# KiCad board AmigaPCI Mainboard.kicad_pcb (continued)
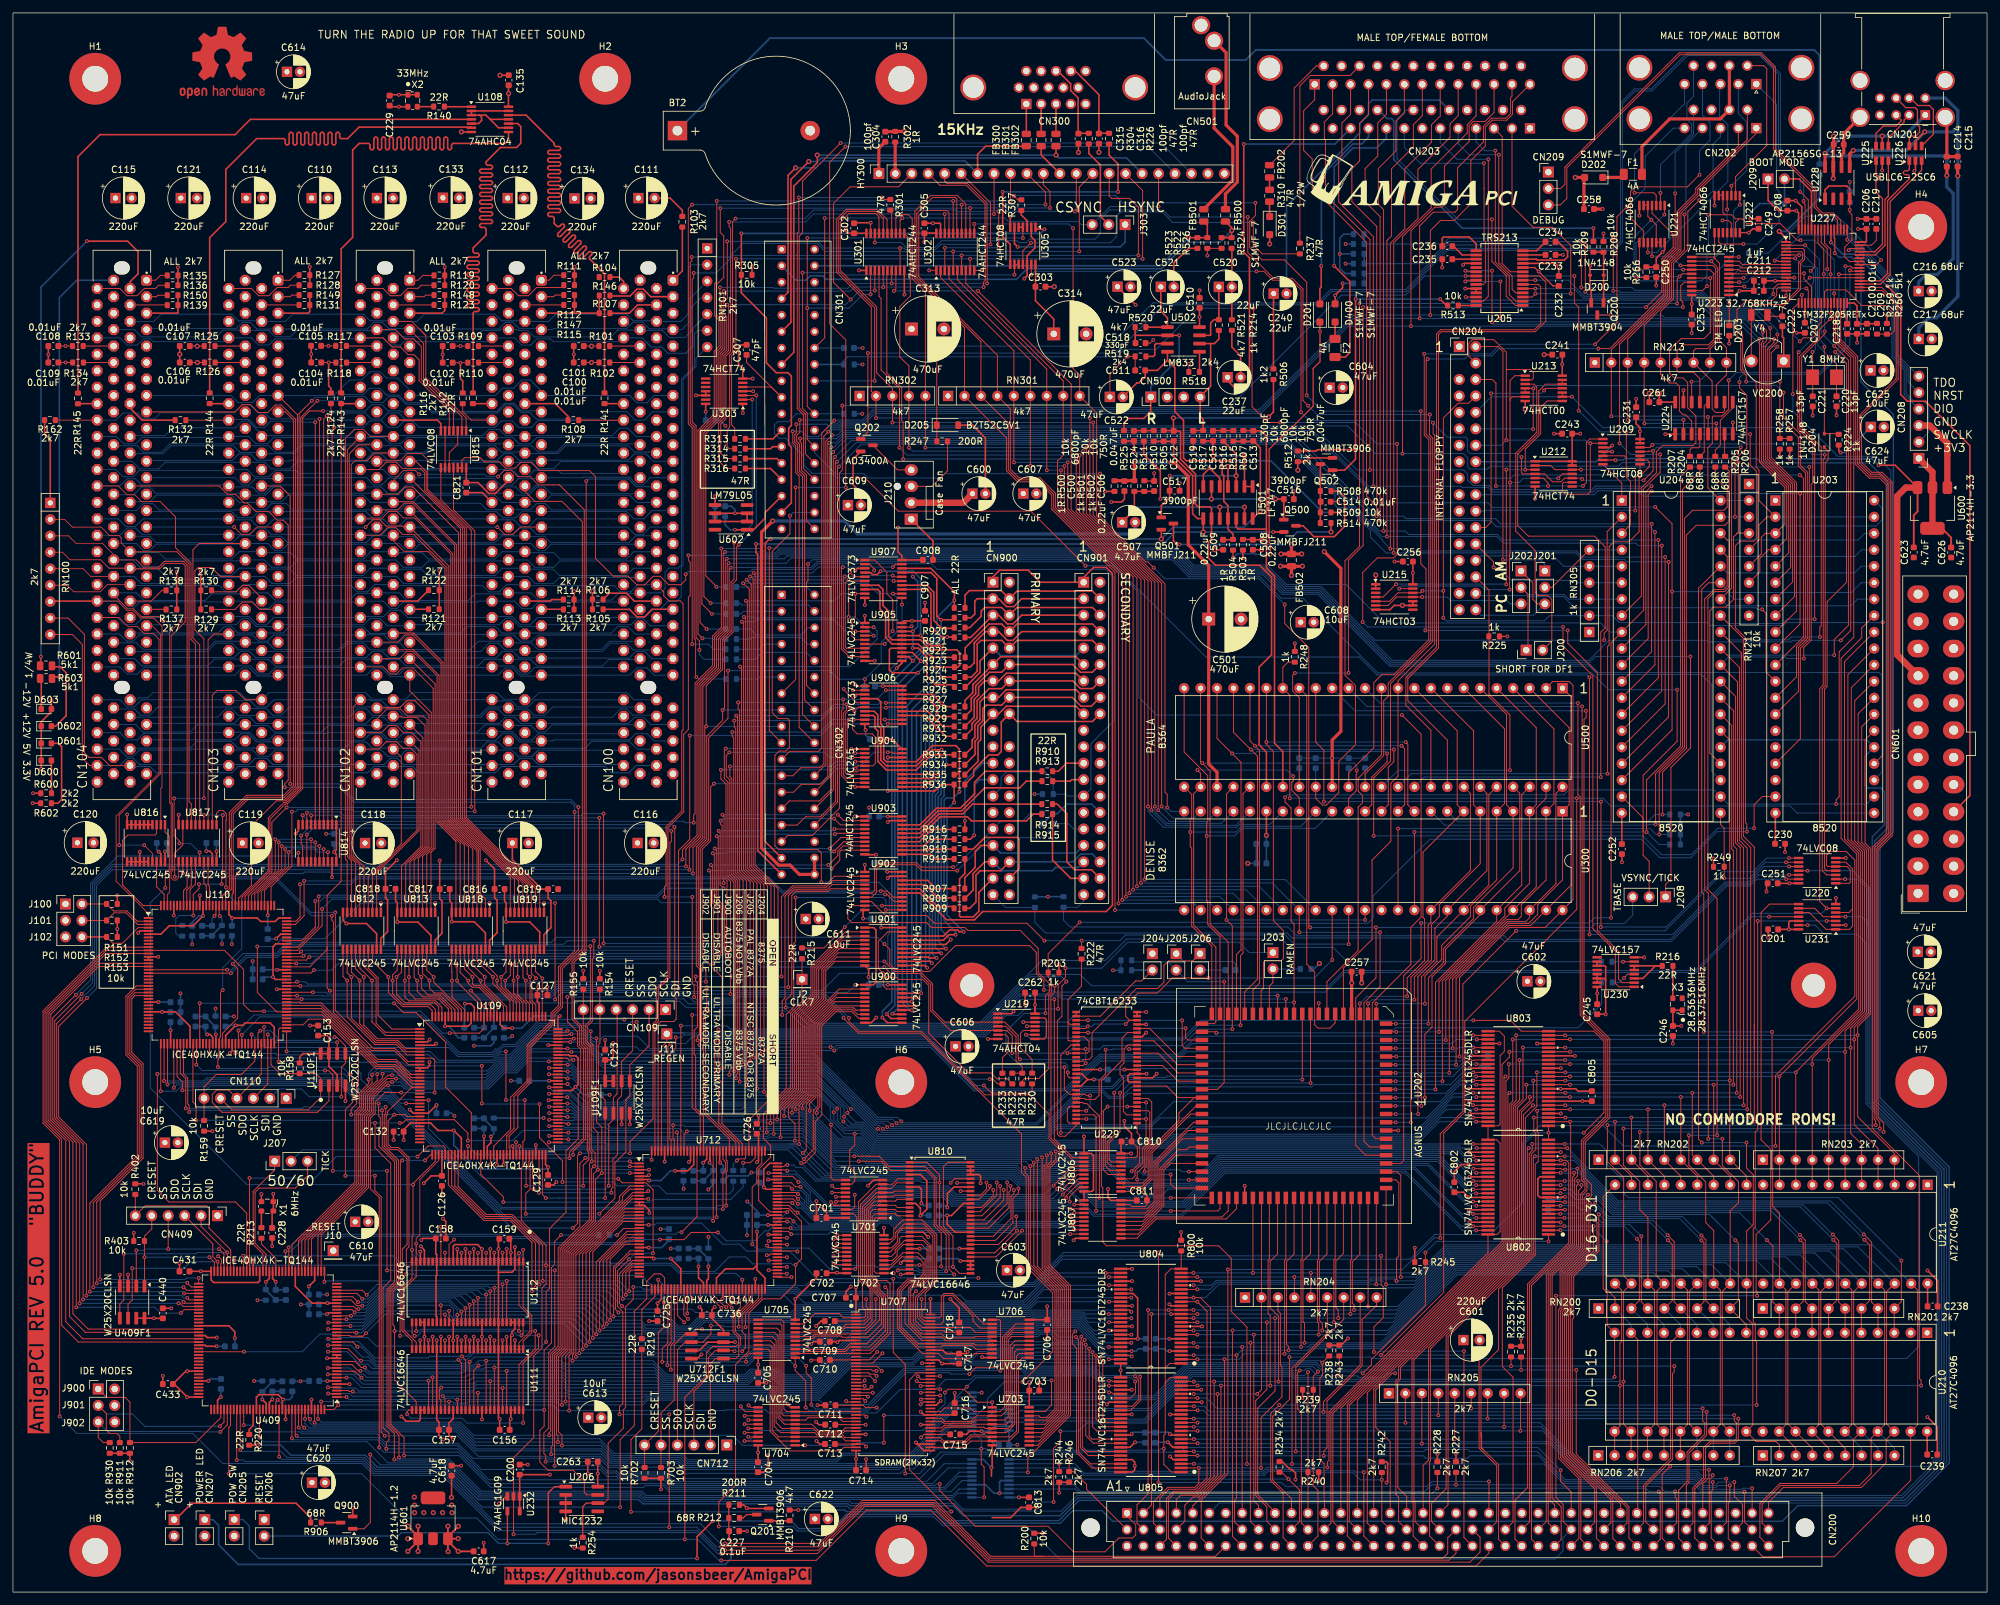
[diagram p0: board, top side]
## Routing (per net, layer and track width the routed paths; a pad name or vN(x,y) marks a point on that pad's centre or on a via; arc(x,y) is an arc through that point) (continued)
  Top w0.3: 67.16,7.87 v2(68.75,6.28) 71.12,6.28 ; U601.3 67.16,6.27 ; U601.3 v2(67.16,10.16) ; U601.3 68.74,8.24 ; 67.16,8.54 v2(68.77,10.15)
  Bottom w0.25: v1(84.45,88.96) 80.44,88.96 78.54,87.07 v1(77.09,87.07) 75.87,87.07 ; 153.79,14.62 155.32,14.62 v1(155.33,14.62) ; 225.3,82.78 v1(225.22,82.85) 225.29,82.79 C803.1 ; C815.1 140.59,59.69 v1(140.26,60.02) ; v1(34.4,87.51) 33.03,87.51 ; v1(114.88,55.62) C721.1 v1(116.6,56.7) ; v1(98.22,63.55) 100.04,63.55 101.54,65.05 v1(102.25,65.05) C722.1 ; v1(146.13,53.03) 146.12,53.03 C825.1 ; C824.1 143.96,59.69 v1(144.27,59.38) ; 115.29,63.13 v1(115.93,62.49) ; C130.1 69.69,88.01 69.78,88.1 v1(69.78,90.87) ; 74.72,65.31 74.73,65.32 v1(74.73,65.94) ; 74.72,65.31 71.74,65.31 68.06,69 v1(68.06,71.27) ; 74.72,65.31 82.31,65.31 v1(82.62,65.62) ; v1(134.99,111.21) 134.79,111.41 C902.1 ; v1(98.94,51.5) v1(101.55,51.5) C723.1 ; v1(134.31,139.91) 133.16,139.91 ; v1(48.55,44.61) 47.44,44.61 ; C432.1 48.52,32.59 v1(48.53,32.6) ; v1(109.19,66.3) 109.68,65.82 C719.1 ; v1(33.86,104.09) 33.86,102.94 ; v1(40.15,94.96) 38.9,94.96 C147.1 ; v1(135.08,93.77) 133.69,93.77 ; v1(23.48,114.34) 23.75,114.61 C822.2 ; v1(155.08,22.75) 155.07,22.74 C812.1 U808.20 ; v1(135.08,131.69) 135.07,131.7 C905.1 ; C901.1 v1(134.06,102.61) ; R255.1 v1(205.77,208.16) ; v1(41.71,29.72) 42.71,29.72 43.13,30.14 C435.1 ; v1(173.25,23.13) 174.82,23.13 ; v1(139.99,53.03) 141.45,53.03 ; C128.1 88.07,76.8 v1(86.87,78.01) ; v1(173.66,39.11) C809.1 ; v1(23.02,89.59) 24.28,89.59 ; v1(49.6,114.25) C820.2 ; C823.2 31.42,114.39 v1(31.43,114.38) ; 26.36,102.88 C148.1 27.67,103.42 28.67,104.42 v1(29.35,104.42) ; 140.27,53.04 140.26,53.03 ; R265.1 v1(283.6,217.75)
  vias: v1(17.76,49) v1(18.05,20.24) v1(40.2,61.49) v1(62.89,38.87) v1(65.43,38.87) v1(244.61,92.44)
+3V3SB: length 54.1
  Top w0.25: U227.32 284.29,199.04 284.72,198.61 v1(284.72,197.37) C210.1 ; U227.13 272.08,202.47 v1(272.07,202.48) C211.1 270.35,200.94 ; R224.1 281.9,176.26 v1(282.2,175.96) ; 284.74,195.83 286.26,195.83 ; J209.1 270.99,214.9 272.58,213.31 C208.1 v1(275.36,213.31) 275.7,212.97 U227.64 ; 276.68,195.88 276.68,197.45 v1(276.69,197.46) 276.7,197.47 U227.19 ; v1(284.87,210.48) 286.17,210.48 286.17,208.57 286.07,208.47 U227.48 ; C209.1 287.75,195.85
  Top w0.3: 297.83,164.25 299.25,162.83 C626.2
  Top w1: U600.2 U600.2 296.37,172.95 CN208.1
  Bottom w0.25: v1(282.2,175.96) 282.92,175.96 C624.1
+5V: length 358.8
  Top w0.15: 9.22,189.86 v1(8.13,189.86) C109.1 ; 90.48,189.86 v2(89.33,189.86) C100.1 ; 49.81,192.43 v1(48.72,192.43) C105.1 ; R125.2 28.47,192.41 v2(28.45,192.38) 28.42,192.41 C107.1 ; C108.1 v1(8.13,192.41) R133.2 ; C103.1 v1(69.09,192.41) R109.2 ; C104.1 v1(48.74,189.86) 49.81,189.86 ; C101.1 89.31,192.41 v2(89.33,192.38) 89.36,192.41 R101.2 ; C106.1 v2(28.47,189.86) R126.2 ; C102.1 69.06,189.84 v1(69.09,189.81) 69.11,189.84 R110.2 ; U202.19 v1(201.61,90.94)
  Top w0.2: v1(230.75,147.57) 230.75,147.57 R225.1 ; U222.14 v1(268.02,209.91)
  Top w0.25: R305.2 v1(114.11,204.66) ; v1(129.99,119.77) 130,119.76 U903.1 ; v1(157.81,90.68) 157.8,90.67 U219.14 ; v1(157.81,90.68) 157.81,89.32 ; v1(157.81,90.68) 157.81,92.2 ; v1(48.74,189.86) 48.74,186.24 49.09,185.89 R124.2 ; v1(3.05,121.81) 3.06,121.8 R600.1 ; 259.2,200.3 259.2,198.91 v1(259.21,198.9) 259.2,198.89 C253.1 ; v1(69.09,189.81) 69.09,187.36 69.45,187 R116.2 ; R242.1 212.06,20.12 212.25,19.93 212.25,17.08 v1(212.07,16.9) ; U803.7 242.32,75.81 v1(242.32,75.81) 243.77,75.81 ; v1(112.69,182.08) 112.68,182.09 U303.1 ; v1(89.47,154.56) 89.47,154.55 R105.1 ; 216.15,159.12 v1(216.15,157.4) 216.15,155.61 ; v1(174.97,87.66) 174.97,87.66 U229.25 ; 65.81,157.71 65.76,157.76 v1(65.83,157.76) 65.83,157.69 65.82,157.7 R122.1 R121.1 ; 238.35,206.48 v1(239.31,206.49) ; v2(254.2,185.1) C261.2 U224.16 ; v1(135.08,119.76) 135.08,119.76 U903.20 ; R236.1 v1(232.85,39.14) ; CN103.A5 45.59,197.48 45.83,197.72 R131.1 R149.1 ; R500.1 v1(168.6,169.96) ; v1(176.6,80.04) 175.96,79.4 U229.12 ; 25.47,200.24 25.47,197.58 25.38,197.48 CN104.A5 ; C249.1 268.63,210.51 v1(268.02,209.91) ; CN102.A5 66.25,197.48 66.66,197.89 R123.1 R148.1 ; U212.13 C243.2 v1(241.99,178.87) ; v1(161.54,15.34) R244.1 163.07,16.95 ; R228.1 219.93,21.33 v1(219.94,21.34) ; R248.1 v1(197.92,146.5) ; U221.14 255.02,207.25 254.7,206.93 v1(254.7,206.91) 254.68,206.91 253.72,205.95 C250.1 252.24,204.59 ; v1(171.61,80.68) 173.55,80.68 ; U805.7 179.1,22.34 v1(178.31,23.13) ; U805.18 183.52,29.33 v1(183.54,29.31) ; U802.7 239.63,59.04 v1(239.63,59.04) ; U212.1 U212.14 ; R240.1 v1(201.6,17.22) ; U209.13 U209.14 251.21,179.22 v1(251.2,179.23) 251.21,179.24 251.21,179.81 250.62,180.4 C231.1 ; R129.1 R130.1 29.01,157.61 v1(28.99,157.63) ; R238.1 204.77,38.12 ; v1(199.11,29.96) 199.12,29.97 R239.1 ; Q201.2 113.37,12.91 v1(113.3,12.97) 112.81,13.46 R212.1 ; C263.1 v1(90.3,18.3) 90.29,18.3 U206.8 ; R107.1 R146.1 ; v1(106.96,182.27) 106.96,183.48 ; U803.18 241.15,82.79 v1(241.16,82.8) ; R234.1 195.96,20.16 197.21,18.91 197.51,18.91 198.04,18.38 198.04,17.38 v1(198.02,17.36) ; R227.1 222.81,21.33 v1(222.8,21.34) ; 18.08,182.83 19.95,180.96 R132.2 ; v1(82.91,18.13) C200.1 U232.1 U232.5 ; RN100.1 5.76,177.97 4.89,178.84 R162.2 ; U205.11 238.15,205.17 238.66,204.66 v1(238.67,204.66) C232.1 ; U305.2 157.23,209.27 157.8,208.7 157.8,207.56 156.58,206.35 U305.12 156.58,203.25 v1(156.15,202.82) ; R249.1 262.56,113.25 v1(262.58,113.27) ; v1(25.29,157.54) R138.1 R137.1 ; U205.25 U205.24 224.24,201.27 v1(224.23,201.28) ; v1(239.58,66.08) 239.52,66.02 U802.18 ; D301.2 194.04,208.19 ; R147.1 R115.1 86.7,197.74 86.44,197.48 86.02,197.48 ; U303.4 114.27,185.43 v1(114.28,185.42) ; CN101.A16 83.75,183.5 85.7,181.56 R108.2 ; 205.06,38.12 v1(206.12,39.18) ; U804.18 178.61,46.1 v1(178.58,46.07) ; v1(167.84,80.69) 164.16,80.67 ; U213.14 239.21,189.56 v1(239.2,189.57) 239.21,189.59 239.21,191.06 ; R113.1 v1(86.64,154.55) ; R245.1 v1(216.44,53.16) ; R235.1 232.84,37.95 ; v1(178.54,39.1) 180.35,39.1 ; 248.41,115.58 U204.20 ; D203.2 v1(264.99,192.78) ; 86.02,197.48 90.52,197.48 ; 86.02,197.48 CN101.A5 ; U209.4 v1(246.93,176.1) ; C238.1 U211.40 ; 272.12,115.59 272.12,120.26 ; C239.1 295.56,24.78 ; U300.19 v2(193.53,116.84)
  Top w0.5: v2(281.05,218.28) 281.06,218.29 U228.7 281.06,223.47 ; v2(137.64,225.56) 137.63,225.55 R302.2 ; C257.1 206.69,94.06 v2(206.7,94.05) 206.69,94.04 U202.15 ; C258.1 242.56,218.33 ; v2(281.1,224.82) 281.12,224.8 C259.1 ; C304.1 136.18,225.51 ; D202.2 v2(241.22,218.44)
  Bottom w0.15: R223.1 R229.1
  Bottom w0.25: C306.1 v1(106.96,182.27) ; R903.2 159.79,107.35 v1(159.8,107.37) 159.81,107.38 R904.2 ; R263.1 v1(205.76,205.12) ; v1(178.31,23.13) 176.34,23.13 ; R308.2 v1(131.18,189.56) ; 133.74,119.77 135.06,119.77 ; R229.1 169.86,96.02 v1(169.85,96.01) ; C807.1 178.53,39.11 v1(178.54,39.1) ; R900.1 v1(157.74,123.21) ; R300.2 v1(131.13,181.94) ; v2(201.71,97.07) 200.85,96.21 RJ203.1 ; v2(193.53,116.84) C301.1 ; v1(167.84,80.69) C267.1 v1(171.61,80.68) ; v1(239.63,59.04) 237.05,59.04
  vias: v2(194.03,208.18)
+5VSB: length 65.3
  Top w0.25: 274.33,176.48 v1(274.33,174.99) ; v1(288.06,174) 290.62,174 U600.3
  Top w0.3: C623.2 293.49,166.28 294.07,166.86 U600.3
  Top w1: U600.3 292.25,170.55 290.93,169.22 290.93,144.71 CN601.9
  Bottom w0.25: v1(288.06,174) 287.07,174.99 v1(274.33,174.99)
+12V: length 652
  Top w0.25: 4.29,142.86 4.29,144.41 v1(4.32,144.44) ; D400.2 v1(204.14,200.25) 205.3,201.41 v1(205.3,202.09) ; CN104.A2 18.08,202.33 19.31,203.56 19.31,206.99 17.7,208.6 v1(11.43,208.6) ; R503.1 v1(189.91,159.62)
  Top w1: C600.1 146.73,168.2 J210.2
  In3.Cu w0.25: 197.13,241.38 197.13,207.26 v1(204.14,200.25) 204.14,194.48 195.01,185.36 195.01,173.42 191.63,170.03 191.63,165.89 189.91,164.17 v1(189.91,159.62)
  In3.Cu w1: 126.13,199.55 126.13,209.92 122.97,213.08 110.19,213.08 109.05,211.94 88.48,211.94 86.71,213.71 C134.1 ; 126.13,199.55 129.06,196.62 129.06,181.14 134.69,175.51 134.69,168.88 135.37,168.2 J210.2 ; 126.13,199.55 CN301.10
  In3.Cu w2: C133.1 66.39,232.58 74.98,241.17 179.57,241.17 183.79,236.95 186.54,236.95 190.97,241.38 300.31,241.38 303.54,238.15 303.54,162.2 300.32,158.98 293.95,158.98 290.9,155.93 290.9,153.14 CN601.11 CN601.10
  Bottom w0.25: R261.1 205.31,202.08 v1(205.3,202.09) ; v1(4.32,144.44) 4.32,201.49 v1(11.43,208.6)
-5V: length 13
  Top w0.25: CN301.31 116.09,166.64 116.09,165.78 114.35,164.04 U602.1 ; v1(111.48,164.03) 113.34,164.03
  Bottom w0.25: v1(111.48,164.03) 110.74,164.03 109.96,164.81 C615.2
-12V: length 711.8
  Top w0.2: R504.2 188.37,159.7 v1(188.38,159.69) ; D201.1 201.79,194.67 v1(201.81,194.65) 201.81,190.01 200.75,188.95 200.75,183.12 197.41,179.78 197.26,179.78 193.96,176.48 193.96,162.08 194.16,161.88 v1(194.16,160.22)
  Top w0.25: R260.2 v1(289.34,197.14) ; 5.95,141.32 v1(7.16,141.32) ; U602.2 U602.3 v1(111.48,166.58) U602.6 U602.7 U602.2
  In2.Cu w0.2: 198.44,241.43 198.44,205.02 201.81,201.65 v1(201.81,194.65)
  In2.Cu w0.25: 115.35,241.25 115.39,241.2 115.39,170.49 v1(111.48,166.58) ; v1(289.34,197.14) 303.56,197.14 303.57,197.15
  In2.Cu w2: CN601.14 300.73,112.09 303.57,114.93 303.57,238.16 300.3,241.43 191.02,241.43 186.54,236.95 183.75,236.95 179.45,241.25 63.61,241.25 ; 63.61,241.25 54.41,241.25 C121.2 ; 63.61,241.25 54.21,241.25 47.66,234.7 47.61,234.75 C614.2
  Bottom w0.2: v1(194.16,160.22) 191.78,160.22 191.68,160.32 189.01,160.32 v1(188.38,159.69)
  Bottom w0.25: v1(7.16,141.32) 7.16,199.88 9.84,202.56 CN104.B1 ; C616.2 110.94,167.67 111.48,167.13 v1(111.48,166.58)
/Agnus Multiadapter/GND_PAL_NTSC: length 34.7
  Top w0.15: U202.41 185.97,77.62 187.01,78.66 v1(187.01,94.25)
  Bottom w0.15: v1(187.01,94.25) 181.39,94.25 J205.2 178.35,97.3 172.99,97.3
/HID and User Ports/+5VMOUSE: length 26.9
  Top w0.5: F1.2 251.51,223.19 255.81,227.48 263.61,227.48 CN202.16 CN202.7
/HID and User Ports/VBAT_STM: length 14
  Top w0.3: U227.1 273.77,209.04 v2(272.71,210.11)
  Bottom w0.3: v2(272.71,210.11) 273.78,210.11 278.94,215.27 R201.2
/HID and User Ports/VBUS1: length 66.1
  Top w0.25: U225.5 288.61,224.82 v2(288.62,224.83) ; 279.79,222.14 v2(279.78,222.15)
  Top w0.5: C214.1 298.59,218.75 v2(298.58,218.74) ; U228.8 279.79,222.14
  Bottom w0.5: C216.1 294.22,202.27 295.4,203.45 297.11,203.45 299.59,205.93 299.59,215.96 298.58,216.97 v2(298.58,218.74) 298.58,221.23 298.05,221.76 280.17,221.76 v2(279.78,222.15) 282.46,224.83 v2(288.62,224.83) 292.02,224.83 CN201.1
/HID and User Ports/VBUS2: length 68.9
  Top w0.25: U226.5 293.75,224.06 v2(295.17,225.48)
  Top w0.5: v2(284.15,222.61) 283.6,222.06 U228.5 ; C215.1 300.25,218.73 v2(300.29,218.69)
  Bottom w0.5: CN201.5 298.35,230.7 300.29,228.76 300.29,226.25 ; v2(284.15,222.61) 292.3,222.61 v2(295.17,225.48) 299.52,225.48 300.29,226.25 ; 300.29,226.25 v2(300.29,218.69) 300.29,200.05 297.01,196.77 295.8,196.77 294.25,195.22 C217.1
GND: length 1009.5
  Top w0.15: v1(174.96,89.56) 174.96,89.56 U229.28 ; v1(263.96,211.8) 264.88,211.8 265.32,211.36 U222.12 ; v1(266.47,206.16) 266.46,206.15 U223.10 ; U707.12 132.35,37.35 135.05,40.05 135.05,46.71 v1(134.68,47.08) ; U227.18 v1(276.2,200.3) ; U807.19 172.42,59.83 172.72,59.53 174.81,59.53 175.08,59.8 C811.2 ; U707.6 131.56,40.35 133.23,42.01 v1(133.23,45.22) ; v1(140.29,45.22) 140.29,45.22 140.29,43.81 140.01,43.53 140.01,42.52 140.68,41.85 U707.84 ; v1(31.67,51.86) 32.21,51.32 32.21,50.79 32.09,50.67 U409.69 ; v1(123.23,35.75) 123.32,35.84 C710.2 ; v1(149.54,204.09) 149.54,204.09 U302.10 ; v1(131.78,27.07) 131.5,27.35 U707.32 ; U806.19 173.31,67.07 173.61,67.37 173.61,68.69 C810.2 ; U209.7 248.41,171.23 U204.1 ; U302.1 141.47,204.09 v1(141.47,204.09) ; v1(132.42,211.44) 132.42,211.44 U301.19 ; U111.53 U111.54 ; 38.76,84.75 38.76,87.25 v1(38.77,87.25) ; v1(137.73,45.22) 137.73,41.5 140.38,38.85 U707.78
  Top w0.2: C232.2 237.8,201.68 v1(235.58,203.9) 234.96,204.52 U205.10 ; v1(75.05,13.69) 76.12,14.76 U232.3 ; U805.25 v1(171.03,34.23) U804.48
  Top w0.25: v1(172.79,48.01) 172.79,48 U804.28 ; U805.48 172.83,18.53 173.2,18.9 v1(173.2,19.5) 173.2,20.06 172.82,20.44 U805.45 ; C821.1 72.46,169.77 CN101.B28 ; C129.2 83.45,62.86 v1(83.91,63.32) ; U230.15 U230.13 ; v1(124,41.08) 124.77,41.85 C708.2 ; v1(166.9,79.14) 165.91,79.14 ; 165.91,79.14 165.01,80.04 U229.44 ; 165.91,79.14 164.9,78.13 U229.47 ; U110.86 40.76,93.09 v1(40.75,93.08) ; U812.19 56.16,101.66 54.58,103.23 v1(51.48,103.23) 50.96,103.75 50.96,104.95 ; v1(86.7,204.62) R111.2 R112.1 ; X2.2 59.6,229.36 v1(59.59,229.37) 59.58,229.36 58.33,229.36 ; 62.56,6.3 v2(62.55,6.29) ; 67.97,37.5 67.97,38.87 ; v1(295.61,49.65) 297.17,48.09 C238.2 ; U206.2 U206.3 85.34,11.13 v1(85.36,11.12) ; 108.41,168.45 108.41,168.46 ; 273.62,115.54 273.62,114.25 v1(273.61,114.25) ; v1(161.5,96.94) 161.49,96.93 R203.2 ; U111.25 v1(63.53,39.43) U112.32 62.9,41.65 ; U109F1.4 95.25,72.2 v1(95.24,72.2) ; U109.14 U109.13 63.99,80.94 64.31,81.26 v1(64.31,81.83) ; U816.4 U816.10 17.63,120.06 v1(17.62,120.07) ; v1(19.33,101.79) 19.63,102.09 U110.5 ; U814.10 44.07,117.53 v1(43.66,117.12) ; v1(243.5,204.83) D200.2 243.5,201.06 243.68,200.88 Q200.2 ; R128.1 v1(45.83,204.63) ; R800.2 180.37,55.57 v1(180.35,55.59) ; v1(265.55,180.6) 265.54,180.59 U224.8 ; U111.32 62.9,28.1 62.9,26.64 62.64,26.39 60.7,26.39 v1(59.98,27.11) ; v1(238.99,67.93) 238.99,67.93 U802.21 ; C907.2 v1(140.82,152.78) ; v1(33.46,83.2) 33.84,83.58 U110.59 ; U602.5 108.41,169.23 ; C802.2 223.96,61.75 v1(224.78,60.93) 224.79,60.94 227.75,60.94 ; v1(114.21,187.38) U303.7 112.68,188.91 112.03,189.56 112.03,192.18 112.44,192.59 C307.2 ; C108.2 v1(5.46,191.11) C109.2 ; v1(132.02,62.76) 132.88,63.62 U701.10 ; v1(239.63,61.01) 239.23,61.01 239.16,60.94 U802.10 235.75,60.94 235.44,61.25 235.44,63.81 235.75,64.12 U802.15 ; C715.2 147.22,24.35 147.71,24.84 v1(149.54,24.84) ; U109.5 63.98,84.94 v1(64.34,85.3) ; U707.58 142.56,28.85 v1(143.24,29.52) ; U810.46 146.77,60.01 144.9,58.14 v1(144.24,58.14) ; J210.1 142.06,162.3 142.06,159.38 ; v1(124,26.27) 124.43,25.84 C712.2 ; C210.2 286.25,194.29 ; v1(135.08,110.25) 135.37,110.54 U902.19 ; v1(171.61,72.76) 171.61,71.9 172.71,70.8 C810.2 ; U223.1 265.95,200.3 v1(266.58,200.93) C212.2 ; C714.2 v1(131.72,20.5) ; C211.2 268.8,200.94 ; v1(72.68,7.6) 72.69,7.59 C617.1 ; X1.2 38.35,61.45 v1(38.36,61.46) ; U712.69 114.62,48.35 v1(114.62,48.35) ; C228.2 v1(40.02,53.41) ; U409.103 v1(30.18,32.61) ; R136.1 R135.2 v1(25.48,204.57) ; v1(62.97,53.38) 63.53,52.82 U112.25 ; v1(51.34,75.81) 51.34,75.81 51.34,78.19 ; v1(109.54,45.27) 109.62,45.35 U712.59 ; U810.11 139.39,60.01 140.11,59.29 v1(140.11,58.12) 141.1,59.11 141.1,63.49 140.13,64.45 U810.4 ; U229.27 U229.28 ; v1(132.42,211.44) 129.94,211.44 ; U803.28 229.53,84.7 v1(229.53,84.7) ; C127.2 v1(82.51,93.44) ; 233.49,183.92 233.49,182.64 v2(233.5,182.62) ; U219.1 154.16,89.31 v1(154.5,89.65) ; v1(106.3,36.69) 105.66,36.05 U712F1.4 ; v1(163.77,54.32) 164.08,54.63 U807.10 ; v1(224.89,57.13) 224.89,57.13 227.75,57.13 ; 60.97,8.24 v2(60.96,8.23) ; C805.2 241.66,77.35 241.3,77.71 v1(238.97,77.71) 238.97,77.71 U803.10 ; v1(104.38,66.4) 104.62,66.64 U712.132 ; C818.2 59.07,106.73 59.34,106.46 U813.10 v1(59.34,103.46) 62.5,103.46 64.54,101.42 U813.19 ; U226.2 293.75,219.59 293.6,219.44 v1(293.59,219.44) ; U202.58 v1(190.18,62.73) ; C303.2 v2(160.78,201.57) ; v1(34.25,39.22) 34.25,40.19 33.34,41.11 U409.86 ; v1(251.86,98.01) 251.86,98 U230.8 ; R120.1 R119.2 66.66,204.58 v1(66.67,204.59) ; C106.2 v2(25.76,191.13) C107.2 ; 245.92,94.51 245.92,96.55 245.77,96.7 U230.11 U230.10 ; 245.92,94.51 245.68,94.75 U230.14 ; 245.92,94.51 v1(245.92,89.21) 245.9,89.23 C245.2 ; v1(4.36,127.11) 4.37,127.11 D602.1 4.37,134.38 5.94,135.96 D603.2 5.94,137.68 v1(5.96,137.7) ; C707.2 128.61,46.41 v1(129.37,47.17) ; U804.15 178.79,44.19 v1(178.55,44.43) ; U703.10 151.19,19.33 v1(151.08,19.22) 151.08,19.22 151.08,17.9 ; v1(69.21,19.51) 69.21,19.51 C618.1 ; v1(235.33,84.7) 235.33,84.7 U803.21 ; U819.19 81.34,101.91 79.77,103.48 v1(76.14,103.48) U819.10 76.14,106.46 75.91,106.69 C816.2 ; v1(144.24,58.14) 144.24,56.79 145.46,55.56 U810.39 ; v1(144.24,58.14) 144.26,58.12 ; C208.2 v1(275.25,214.86) 276.2,213.91 U227.63 ; U112.39 67.97,38.88 v1(67.97,38.87) ; C158.2 66.84,57.21 v1(66.39,57.66) ; 76.5,234.22 v2(75.2,234.22) ; v1(82.65,84.45) 82.66,84.44 U109.103 ; 156.26,92.56 156.26,90.69 v1(156.27,90.69) ; C207.2 v1(275.4,194.45) ; 151.19,11.5 154.05,11.5 155.63,13.08 155.63,13.07 C813.2 158.13,13.07 v1(158.14,13.08) ; U112.46 v1(72.42,39.43) U111.11 ; U212.7 235.01,168.83 v1(235.01,168.83) ; U409.140 v1(46.09,29.7) ; U409.59 37.09,51.27 v1(37.1,51.28) ; U112.53 U112.54 77.5,40.64 77.05,40.19 v1(77.05,39.68) 76.87,39.5 U111.4 ; v1(105.45,184.78) U303.12 U303.11 ; U229.11 172.33,78.77 172.14,78.96 172.14,79.68 172.13,79.69 172.48,80.04 U229.13 175.03,80.04 v1(175.03,80.04) ; v1(119.6,29) 120.09,28.51 U704.10 ; v1(49.27,110.38) 49.28,110.39 U814.19 ; C235.2 v1(220.68,204.52) ; C431.2 25.71,50.77 v1(25.7,50.78) ; U802.4 238.9,57.13 v1(238.96,57.07) ; U111.53 76.87,26.72 v1(76.86,26.72) 76.7,26.56 C156.2 ; U707.86 v1(141.66,45.27) ; C716.2 v1(145.41,30.74) ; U816.19 22.83,114 v1(22.49,114.34) ; v1(178.64,27.43) 178.64,27.43 U805.15 ; v1(183.43,48) 183.43,48 U804.21 ; C713.2 124.55,22.85 v1(124.08,23.32) ; U110.140 24.84,104.48 v1(24.83,104.47) ; U202.82 v1(213.9,71.27) ; U906.10 131.53,133.24 v1(131.65,133.12) ; 287.7,212.03 286.17,212.03 ; C104.2 v1(46.05,191.16) 46.05,192.41 ; v1(256.29,84.69) 256.3,84.7 C246.2 ; v1(133.07,143.8) 133.06,143.79 U905.10 ; U301.10 137.62,200.36 v1(137.64,200.34) ; v1(224.86,67.92) 224.86,67.92 227.74,67.92 ; U804.10 v1(183.58,41.02) ; C717.2 143.46,35.27 v1(143.45,35.28) 142.88,35.85 U707.72 ; 103.35,212.42 103.35,213.37 101.47,215.25 C111.2 ; v1(149.41,63.14) 149.4,63.15 149.4,64.22 149.17,64.45 U810.53 U810.55 ; v1(135.08,118.91) 135.28,119.11 U903.19 ; C123.1 v1(91.44,85.25) ; U215.10 U215.9 v2(214.53,152.35) 213.26,152.35 212.61,151.7 U215.7 ; v1(248.43,112.7) 248.42,112.71 C252.1 ; U803.15 238.99,80.89 v1(238.99,80.89) ; v1(183.48,31.24) 183.48,31.24 180.36,31.24 ; C103.2 v1(66.34,191.08) C102.2 ; U229.22 174.34,85.75 v1(174.98,86.39) ; U712.103 v1(116.57,63.7) ; 62.56,10.15 v2(62.55,10.16) ; U222.7 v1(262.72,214.1) ; C315.2 164.51,222.3 v2(164.51,222.3) ; U712.13 U712.14 97.51,59.7 98.26,58.95 v1(98.26,58.57) ; C227.2 v1(113.35,9.41) ; 272.81,176.48 v1(272.81,175.25) ; R200.2 v1(158.99,9.09) ; 284.74,194.27 v1(284.74,192.93) ; U409.132 v1(42.09,26.66) ; 273.2,195.3 273.2,193.84 273.4,193.64 VC200.1 ; U818.19 72.94,101.78 71.22,103.51 v1(67.74,103.51) 67.75,103.51 U818.10 67.75,106.39 67.44,106.7 C817.2 ; C243.1 v1(237.94,178.87) ; U707.44 140.65,21.85 v1(139.42,23.08) 139.65,22.85 U707.46 ; U110.14 U110.13 v1(22.42,98.09) ; R208.2 245.57,209.77 v1(245.58,209.78) ; v1(238.99,73.9) 238.99,73.9 U803.4 ; U707.38 v1(131.65,24.35) ; C701.2 v1(124.05,60.36) ; v1(172.74,31.24) 172.73,31.24 171.03,31.24 ; v1(131.26,104) 131.26,105.07 U902.10 ; U111.46 v1(72.42,26.67) ; U900.10 132.5,87.91 v1(133.3,88.71) ; C239.2 297.11,25.49 v1(295.58,27.02) ; v1(98.2,64.4) 98,64.2 U712.5 ; C609.2 130.92,169.79 129.7,171 129.7,174.93 Q202.2 ; U224.15 257.92,185.57 v1(257.93,185.58) ; C316.2 v2(167.67,222.32) ; v1(115.12,73.57) 115.12,73.56 115.12,72.3 ; C250.2 v1(253.72,201.75) ; U109.69 v1(80.73,69.01) ; U409.5 v1(51.95,32.11) ; v1(40.65,100.91) 41.33,101.59 U110.103 ; U227.12 v1(275.05,202.97) ; v1(144.75,45.22) 146.1,43.87 C718.2 ; C811.2 175.08,61.21 v1(174.55,61.75) ; U221.7 v1(251.12,212.54) ; C261.1 v2(252.65,185.1) ; U220.7 v1(282.98,113.34) ; v2(210.41,157.04) 210.41,157.04 U215.2 ; v1(116.61,21.11) 116.61,19.21 115.91,18.51 C704.2 ; U225.2 v1(288.61,219.54) ; U707.52 v1(140.16,25.85) ; U810.18 140.56,55.56 v1(141.32,54.81) ; U803.34 224.88,80.89 v1(224.88,80.89) ; v1(178.63,24.4) 178.79,24.25 U805.10 ; U109.86 v1(82.69,75.94) ; C600.2 150.14,178.21 148.16,180.19 D205.2 ; v1(169.58,168.32) 171.17,168.32 171.61,168.76 C500.2 ; C709.2 123.6,38.66 v1(123.26,38.32) ; C440.1 24.42,43.82 v1(24.43,43.81) ; v1(130.02,124.34) 130.03,124.33 U904.10 ; v1(259.19,194.38) 259.2,194.39 C253.2 ; U804.39 v1(172.77,41.02) ; U816.16 U816.11 ; U804.25 v1(172.79,49.91) ; v1(132.12,94.97) 132.12,96.16 U901.10 ; v2(69.24,225.48) 69.26,225.46 U108.7 ; U301.1 130.63,204.09 v1(130.63,204.09) ; C101.2 v1(86.59,191.11) C100.2 ; v1(29.87,114.4) 30.4,114.4 30.78,114.02 U817.19 ; U805.4 179.17,20.44 v1(178.66,20.94) ; v1(224.86,64.11) 224.86,64.11 227.74,64.11 ; U804.34 172.77,44.19 v1(172.78,44.2) ; 281.46,106.23 281.46,107.16 v1(281.46,107.16) ; U205.18 224.17,205.17 223.92,204.92 v1(223.9,204.92) ; U805.34 172.73,27.43 v1(172.74,27.43) ; U109.140 66.73,87.39 v1(66.72,87.38) 70.29,87.38 70.73,87.82 U109.132 ; U409.14 U409.13 48.51,36.11 v1(48.5,36.1) ; 270.75,109.45 v1(270.75,108.16) ; v1(134.48,56.25) 134.47,56.24 U702.10 ; C200.2 v1(79.49,19.68) ; v1(153.97,212.38) 153.98,212.37 U305.7 ; U706.10 149.7,36.19 v1(149.63,36.27) ; U302.19 143.22,211.26 143.11,211.37 v1(142.04,211.37) C305.2 ; C241.1 v2(236.43,191.07) ; U805.39 172.58,24.25 v1(172.74,24.4) ; C153.1 45.88,87.48 ; 76.85,51.04 76.85,52.4 ; U804.45 172.73,37.21 v1(172.74,37.2) ; U712.140 100.62,66.47 v1(100.62,66.46) ; v1(88.76,18.29) 88.75,18.3 C263.2 ; U804.4 v1(178.59,37.21) ; U907.10 v1(131.53,152.42) ; U810.30 U810.32 ; U817.10 v1(25.58,120.03) ; 285.57,194.28 285.58,194.29 ; U409F1.4 v1(16.5,49) ; C231.2 250.62,184.24 v1(250.63,184.25) ; U705.10 120.77,45.24 v1(120.78,45.25) 124.07,48.55 C702.2 ; U803.45 224.91,73.9 v1(224.9,73.91) ; v1(75.73,65.94) U109.59 ; C711.2 v1(124.22,28.84) ; U112.18 67.97,53.4 68.22,53.65 71.74,53.65 v1(72.42,52.97) 72.42,51.04 ; v1(76.86,52.41) 76.86,54.34 ; U807.1 U806.10 166.62,61.88 166.83,62.09 166.83,67.38 166.49,67.72 165.36,67.72 165.36,70.34 v1(165.36,70.34) ; U712.86 v1(116.62,55.2) ; 286.17,212.04 284.83,212.04 ; v1(133.25,113.86) 131.58,113.86 ; v1(67.95,23.56) 67.32,24.19 C157.2 67.32,26.11 67.97,26.76 U111.39 ; U816.14 v1(19.58,114.31) ; 281.56,183.02 v1(281.56,181.7) ; v1(116.34,32.32) 116.31,32.31 C705.2 ; C736.1 106.38,43.62 v1(106,44) ; C201.2 v1(270.99,101.04) ; C256.1 v1(213.31,159.13) ; C218.2 284.71,194.28 ; U803.39 224.83,77.71 v1(224.83,77.71) ; U219.7 v1(150.54,85.41) ; v1(146.28,51.13) 147.84,51.13 ; U810.25 137.39,51.12 v1(137.06,50.79) ; C703.2 v1(158.46,32.38) ; C706.2 v1(159.69,39.24) ; U110.132 v1(28.84,107.54) ; U815.7 66.07,180.42 65.53,180.96 CN102.A18 ; C433.2 v1(23.14,33.38) ; C725.2 v1(98.23,41.85) ; 277.88,183.02 v1(277.88,181.66) ; C132.2 v1(58.77,69.8) ; C126.2 v1(66.23,61.47) ; C249.2 v1(268.25,212.06)
  Top w0.3: 62.56,8.58 v2(60.97,10.17) ; U601.1 62.56,6.3 ; U601.1 60.97,8.24 ; U601.1 62.56,10.15 ; 62.56,7.88 v2(60.97,6.29)
  Top w0.5: FB502.2 v2(199.09,158.4) ; FB502.2 v2(197.4,156.98) ; FB502.2 v2(195.72,158.4) ; U228.6 282.33,221.89 282.67,222.23 C259.2 282.67,225.2 CN201.9 ; C257.2 v2(208.24,94.05) ; HY300.1 133.7,222.98 C304.2 ; 298.59,227.47 C214.2 300.25,221.66 ; C258.2 v1(245.45,213.56)
  Top w1: CN208.3 295.95,180.13 298.67,177.41 U600.1
  Bottom w0.15: C213.1 188.75,97 188.38,97.37 180.81,97.37 J205.1 ; C904.2 132.19,121.12
  Bottom w0.25: v1(113.35,55.1) 113.32,55.12 C724.2 ; C148.2 v1(27.67,100.03) ; C803.2 226.58,81.24 226.23,80.89 v1(224.88,80.89) ; U809.10 149.83,20.46 v1(151.08,19.22) ; C124.2 67.74,73.94 v1(68.16,73.52) ; U808.19 151.52,25.6 150.76,24.84 v1(149.54,24.84) 151.64,22.74 C812.2 ; C820.1 48.37,117.07 v1(48.36,117.08) ; C727.2 v1(99.98,56.05) ; C804.2 238.82,60.6 239.24,61.01 v1(239.63,61.01) ; C429.2 34.27,39.2 v1(34.25,39.22) ; C146.2 34.11,88.88 v1(34.12,88.89) ; C128.2 92.11,76.8 v1(92.12,76.79) ; C902.2 133.24,113.85 v1(133.25,113.86) ; v1(77.08,85.86) 76.8,85.58 C131.2 ; C125.2 76.91,78.94 v1(76.89,78.96) ; v1(131.65,133.12) 131.65,132.34 C905.2 ; v1(66.72,87.38) 67.25,87.38 68.35,86.28 68.35,86.01 68.77,85.59 C130.2 ; C901.2 v1(131.26,104) ; v1(40.65,100.91) 40.58,100.84 C141.2 ; C434.2 44.47,44.42 v1(44.46,44.41) ; R256.2 205.47,209.68 204.86,209.07 v1(204.86,206.64) ; C306.2 109.17,180.92 v1(110.01,180.08) ; C615.1 108.41,169.23 v1(108.41,169.23) ; C435.2 v1(44.4,32.54) 44.45,32.59 C432.2 ; R262.2 205.68,203.6 204.86,204.42 v1(204.86,206.64) ; v1(132.12,94.97) 132.12,94.97 C900.2 ; R264.2 v1(204.86,206.64) ; v1(152.33,15.26) 152.33,15.26 U809.19 ; v1(152.33,15.26) 152.33,17 152.55,17.21 U809.16 ; v1(152.33,15.26) 151.47,15.26 150.17,16.56 U809.4 ; C722.2 103.53,62.3 v1(103.55,62.27) ; v1(149.57,30.79) 149.56,30.8 U808.10 ; v1(130.01,140.14) 130.3,139.85 C906.2 ; v1(172.74,37.2) 173.41,37.2 173.77,37.56 C809.2 C807.2 177.81,37.56 178.16,37.21 v1(178.59,37.21) ; R312.1 R303.1 258.65,120.07 v1(258.65,120.07) ; C720.2 v1(114.03,64.79) 113.5,64.26 110.44,64.26 109.68,63.5 ; v1(22.49,114.34) 22.2,114.63 C822.1 ; v1(178.63,24.4) 178.36,24.68 173.01,24.68 v1(172.74,24.4) ; v1(146.28,51.13) 145.93,51.49 C825.2 ; C147.2 37.01,97.42 v1(37.02,97.43) ; C430.2 45.69,44.41 ; C421.2 48.49,45.94 v1(48.5,45.95) ; C823.1 v1(29.87,114.4) ; v1(268.25,212.06) 268.25,212.97 269.68,214.4 R202.2 ; C815.2 140.13,58.14 v1(140.11,58.12) ; C723.2 v1(101.55,53.05) ; 159,118.65 R901.2 161.25,120.2 162.72,121.67 166.55,121.67 CN901.30 ; v2(190.65,112.52) 190.66,112.53 C301.2 C300.2 ; C420.2 30.48,32.91 v1(30.18,32.61) ; C824.2 144.24,58.13 v1(144.24,58.14) ; C143.2 25.87,92.43 v1(25.86,92.44) ; v1(166.9,79.14) 166.9,79.13 C267.2 ; v1(137.06,50.79) 137.76,51.49 C814.2 ; 129.85,192.11 v1(131.19,192.11) ; C144.2 v1(33.8,100.04)
  vias: v1(45.87,87.48) v1(132.18,121.13) v1(284.82,212.05)
